# Allegro board BRD-05058-03_A1.brd
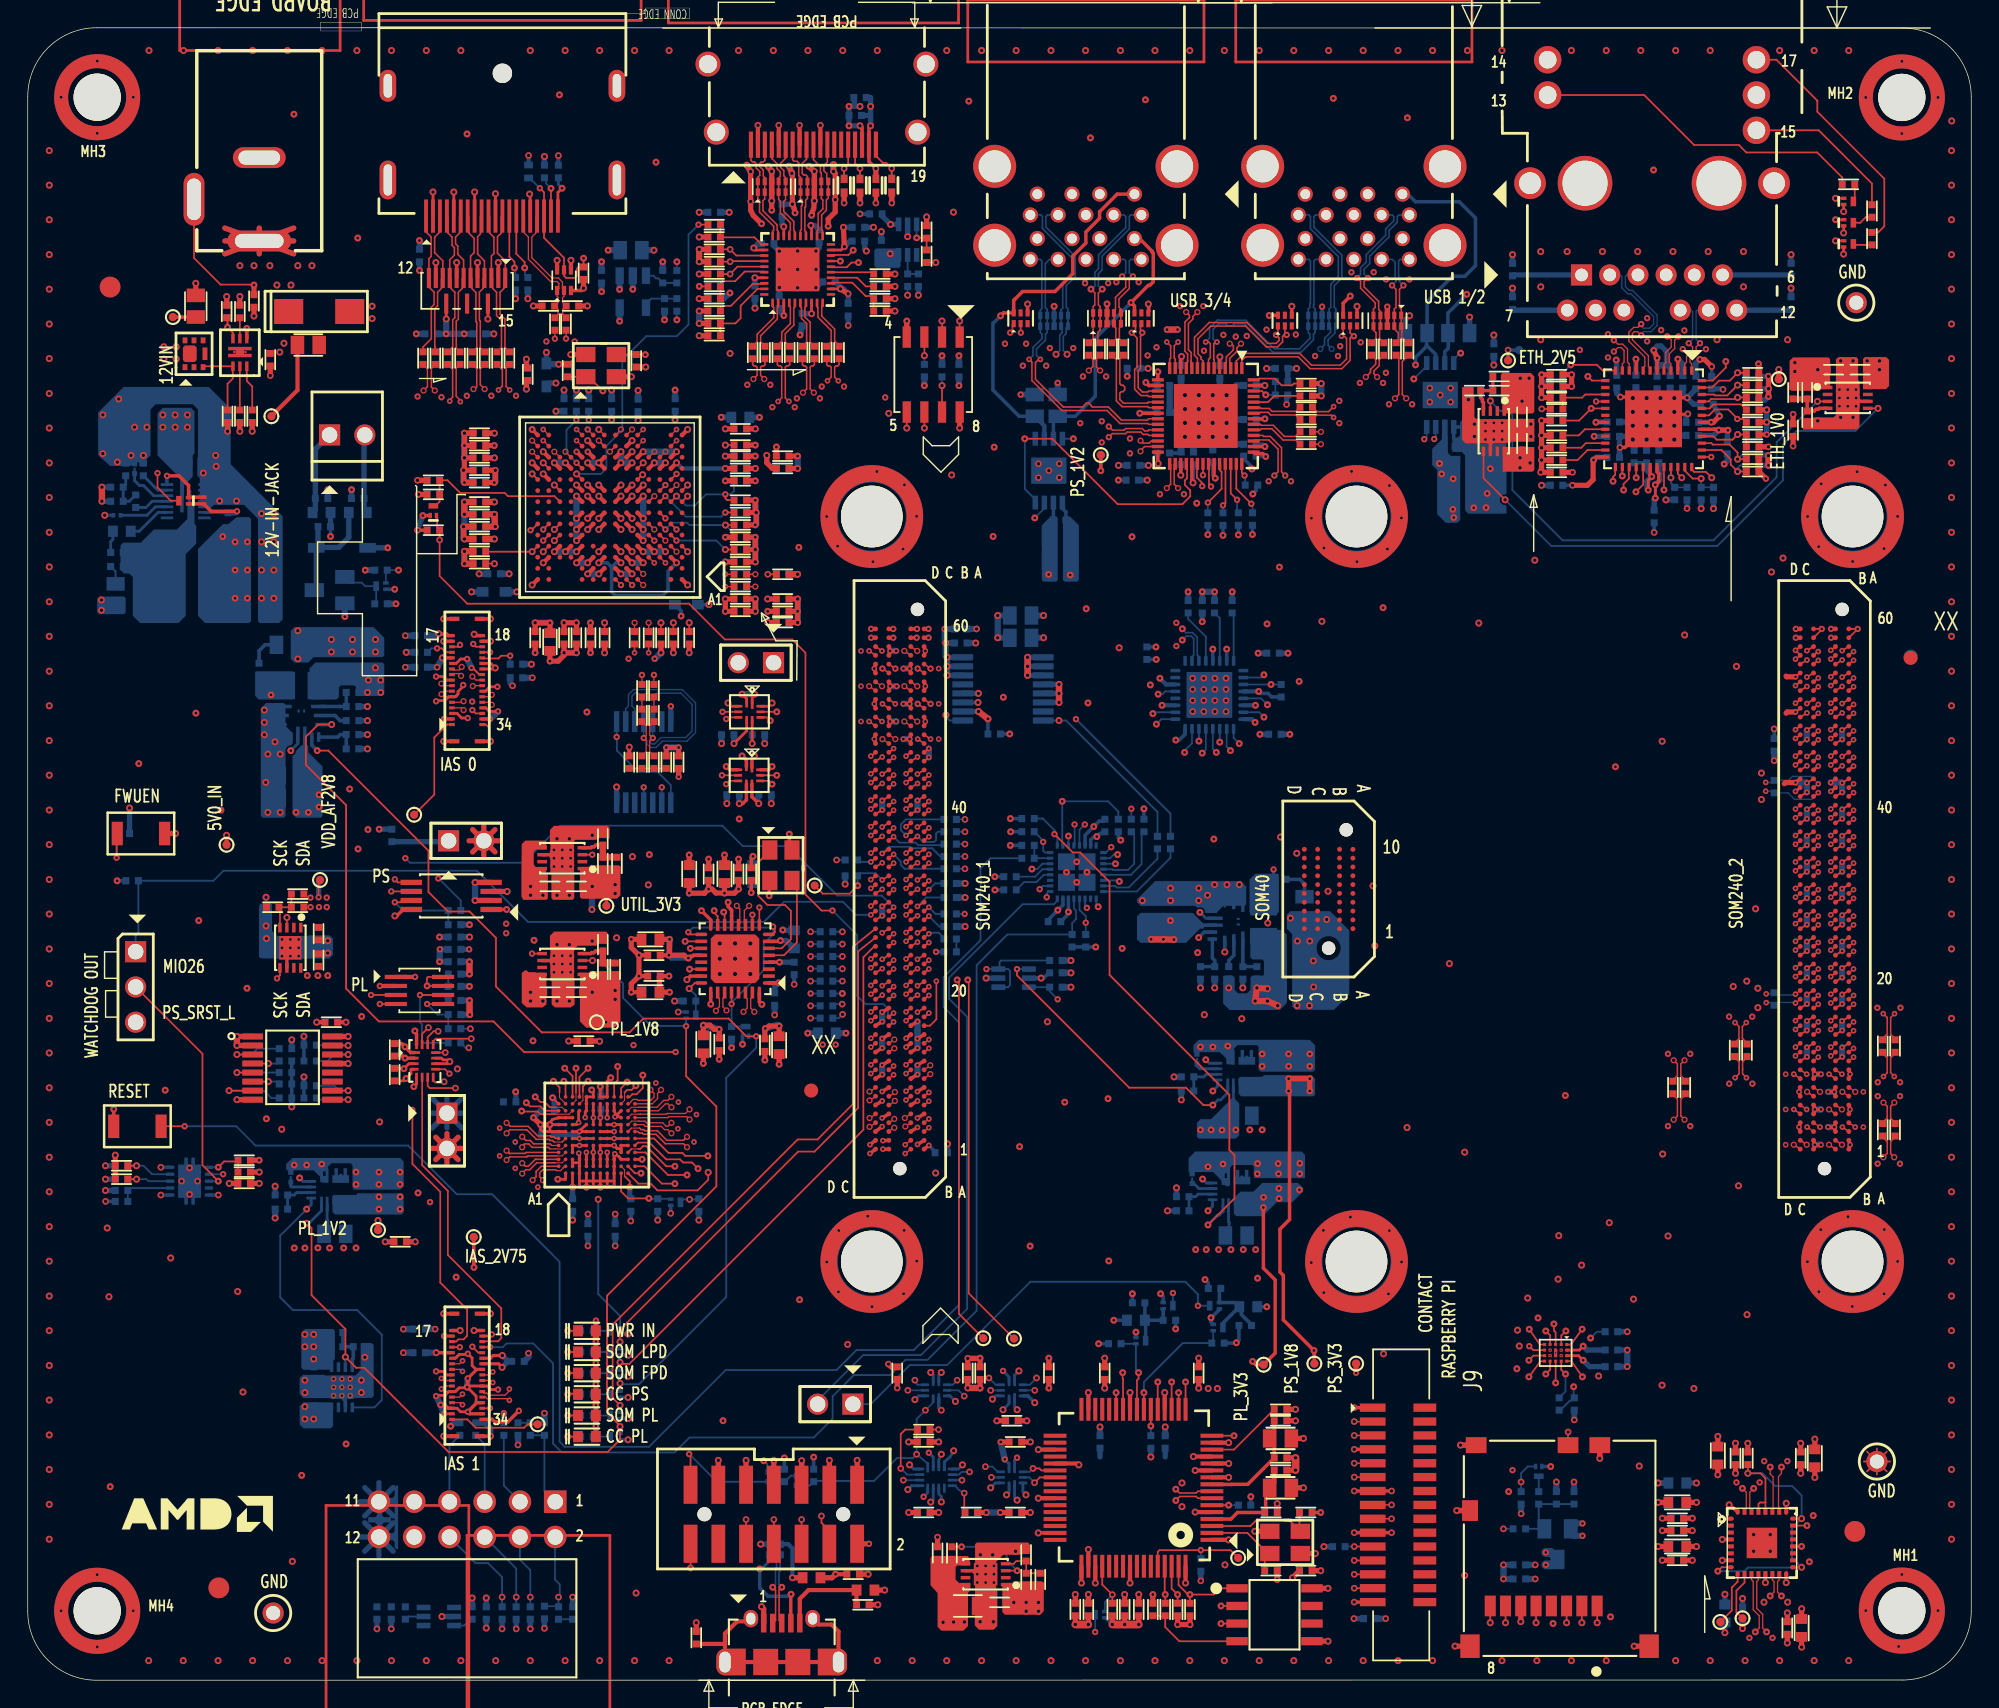
[diagram p0: board, top side]
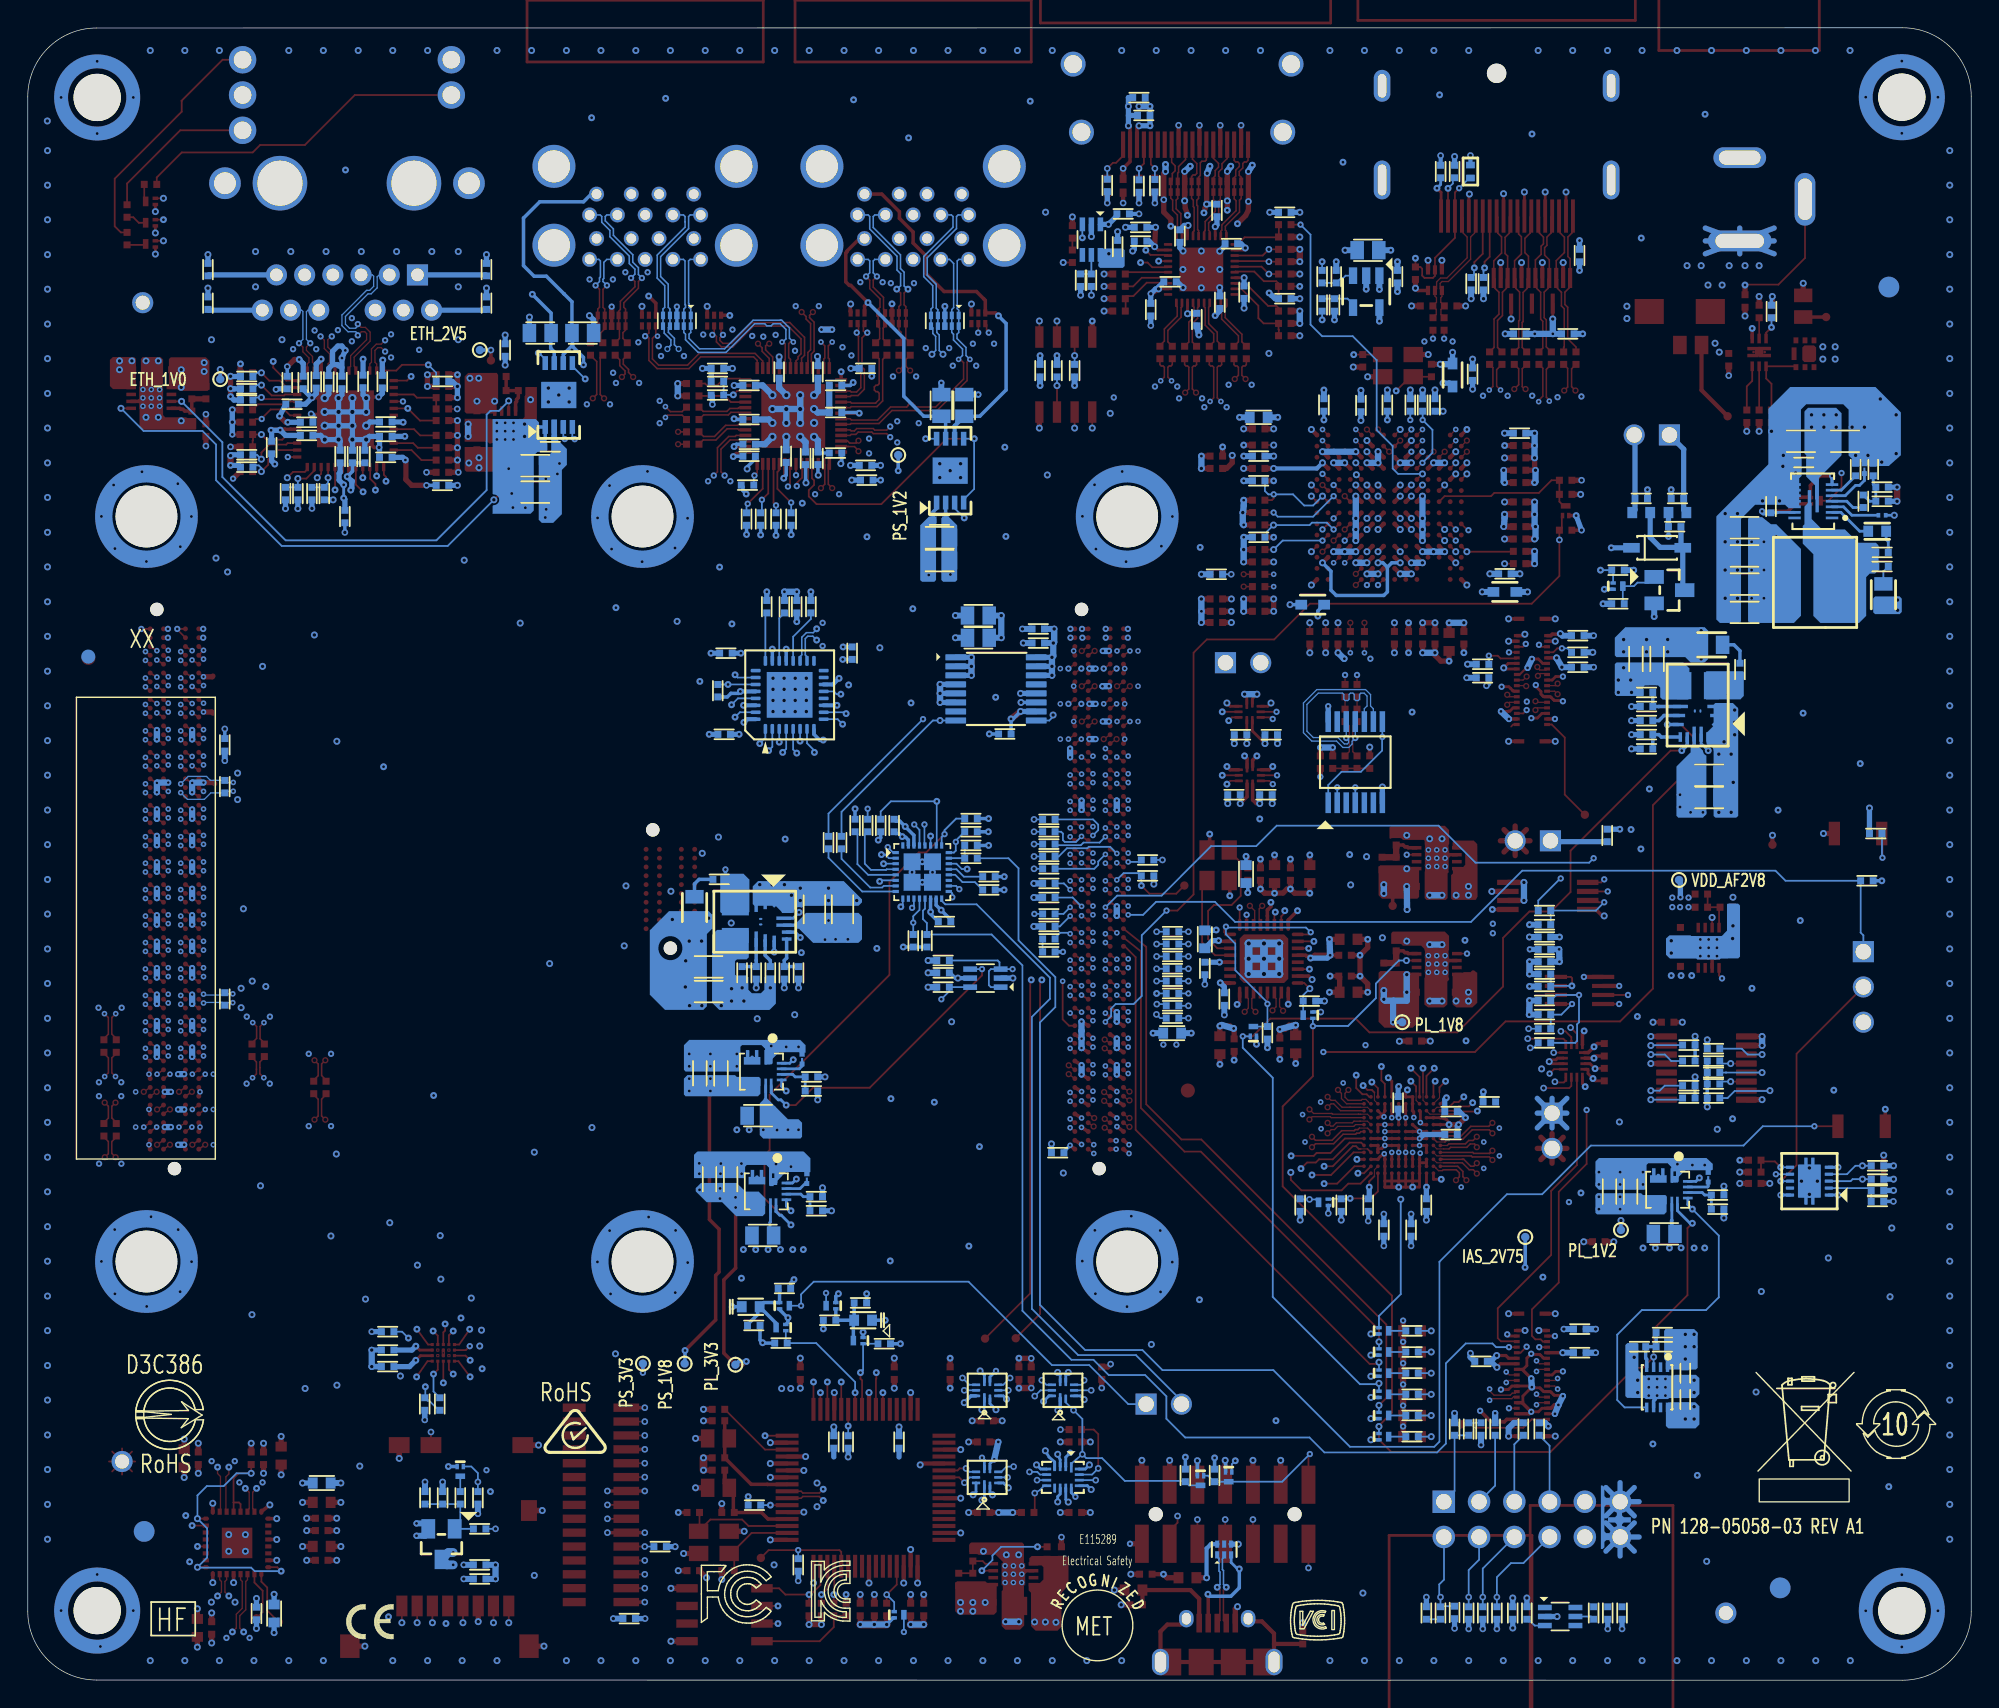
[diagram p1: board, bottom side, seen from below]

Outline 140 x 119 mm; copper layers: TOP, L02_GND, L03_SIG, L04_GND, L05_SIG, L06_GND, L07_PWR, L08_PWR, L09_GND, L10_SIG, L11_GND, L12_SIG, L13_GND, BOTTOM. Coordinates in mm from the lower left corner of the outline.
Outline path: 0,114.05 0,4.95 arc(1.45,1.45) 4.95,0 135.05,0.01 arc(138.55,1.47) 140,4.97 140,114.03 arc(138.55,117.53) 135.05,118.98 4.95,119 arc(1.45,117.55) 0,114.05

## Design rules (mm)
constraint set DEFAULT: min track width 0.127
net group 5V0_IN_FB: nets 5V0_IN_FB N1767106
net group AVDD33: nets AVDD33 N1371512
net group DP_GEM_TD_A: nets GEM_TD_A_N GEM_TD_A_P
net group DP_GEM_TD_B: nets GEM_TD_B_N GEM_TD_B_P
net group DP_GEM_TD_C: nets GEM_TD_C_N GEM_TD_C_P
net group DP_GEM_TD_D: nets GEM_TD_D_N GEM_TD_D_P
net group DP_GTH_REFCLK0_C2M: nets GTH_REFCLK0_C2M_N GTH_REFCLK0_C2M_P
net group DP_GTH_REFCLK1_C2M: nets GTH_REFCLK1_C2M_N GTH_REFCLK1_C2M_P
net group DP_GTR_REFCLK2_C2M: nets GTR_REFCLK2_C2M_N GTR_REFCLK2_C2M_P
net group DP_HDMI_TMDS_C: nets HDMI_TMDS_C_N HDMI_TMDS_C_P
net group DP_HDMI_TMDS_D0: nets HDMI_TMDS_D0_N HDMI_TMDS_D0_P
net group DP_HDMI_TMDS_D1: nets HDMI_TMDS_D1_N HDMI_TMDS_D1_P
net group DP_HDMI_TMDS_D2: nets HDMI_TMDS_D2_N HDMI_TMDS_D2_P
net group DP_HPA_CLK0: nets HPA_CLK0_N_NC HPA_CLK0_P_NC
net group DP_PWR_EN: nets DP_PWR_EN STDP4320_GPIO10_DP_PWR_EN
net group DP_PWR_FAULT_B: nets DP_PWR_FAULT_B STDP4320_GPIO11_DP_PWR_FAULT_B
net group DP_TX1_AUX_N: nets DP_TX1_AUX_C_N DP_TX1_AUX_N
net group DP_TX1_AUX_P: nets DP_TX1_AUX_C_P DP_TX1_AUX_P
net group DP_TX1_LN0_C_N: nets DP_TX1_LN0_C_N DP_TX1_LN0_N
net group DP_TX1_LN0_C_P: nets DP_TX1_LN0_C_P DP_TX1_LN0_P
net group DP_TX1_LN1_C_N: nets DP_TX1_LN1_C_N DP_TX1_LN1_N
net group DP_TX1_LN1_C_P: nets DP_TX1_LN1_C_P DP_TX1_LN1_P
net group DP_TX1_LN2_C_N: nets DP_TX1_LN2_C_N DP_TX1_LN2_N
net group DP_TX1_LN2_C_P: nets DP_TX1_LN2_C_P DP_TX1_LN2_P
net group DP_TX1_LN3_C_N: nets DP_TX1_LN3_C_N DP_TX1_LN3_N
net group DP_TX1_LN3_C_P: nets DP_TX1_LN3_C_P DP_TX1_LN3_P
net group DP_USB3320_D: nets USB3320_D_N USB3320_D_P
net group DP_USB_D1: nets USB_D1_N USB_D1_P
net group DP_USB_D2: nets USB_D2_N USB_D2_P
net group DP_USB_D3: nets USB_D3_N USB_D3_P
net group DP_USB_D4: nets USB_D4_N USB_D4_P
net group DP_USB_SSRX1: nets USB_SSRX1_N USB_SSRX1_P
net group DP_USB_SSRX2: nets USB_SSRX2_N USB_SSRX2_P
net group DP_USB_SSRX3: nets USB_SSRX3_N USB_SSRX3_P
net group DP_USB_SSRX4: nets USB_SSRX4_N USB_SSRX4_P
net group EEPROM_WC_B_R: nets EEPROM_WC_B EEPROM_WC_B_R
net group ETH_1V0_FB: nets ETH_1V0 ETH_1V0_FB
net group ETH_2V5_FB: nets ETH_2V5 ETH_2V5_FB
net group GEM_LED0_CA: nets GEM_LED0_CA N998670
net group GEM_LED1_CA: nets GEM_LED1_CA N998666
net group GEM_LED2_CA: nets GEM_LED2_CA N998662
net group GEM_XTAL_IN: nets ETH_REF_CLK GEM_XTAL_IN
net group GTH_DP0_C2M_N: nets GTH_DP0_C2M_N GTH_DP0_M2C_N
net group GTH_DP0_C2M_P: nets GTH_DP0_C2M_P GTH_DP0_M2C_P
net group GTH_DP1_C2M_N: nets GTH_DP1_C2M_N GTH_DP1_M2C_N
net group GTH_DP1_C2M_P: nets GTH_DP1_C2M_P GTH_DP1_M2C_P
net group GTH_DP2_C2M_N: nets GTH_DP2_C2M_N GTH_DP2_M2C_N
net group GTH_DP2_C2M_P: nets GTH_DP2_C2M_P GTH_DP2_M2C_P
net group GTH_DP3_C2M_N: nets GTH_DP3_C2M_N GTH_DP3_M2C_N
net group GTH_DP3_C2M_P: nets GTH_DP3_C2M_P GTH_DP3_M2C_P
net group HDMI_DDC_EN: nets HDMI_DDC_EN STDP4320_GPIO6_HDMI_DDC_EN
net group HDMI_OE_B: nets HDMI_OE_B STDP4320_GPIO5_HDMI_OE_B
net group HDMI_PWR_FLT_B_R: nets HDMI_PWR_FLT_B_R STDP4320_GPIO8_HDMI_PWR_FLT_B
net group HDMI_PWR_ON_R: nets HDMI_PWR_ON_R STDP4320_GPIO7_HDMI_PWR_ON
net group HDMI_TX0_LN0_C_N: nets HDMI_TX0_LN0_C_N HDMI_TX0_LN0_N
net group HDMI_TX0_LN0_C_P: nets HDMI_TX0_LN0_C_P HDMI_TX0_LN0_P
net group HDMI_TX0_LN1_C_N: nets HDMI_TX0_LN1_C_N HDMI_TX0_LN1_N
net group HDMI_TX0_LN1_C_P: nets HDMI_TX0_LN1_C_P HDMI_TX0_LN1_P
net group HDMI_TX0_LN2_C_N: nets HDMI_TX0_LN2_C_N HDMI_TX0_LN2_N
net group HDMI_TX0_LN2_C_P: nets HDMI_TX0_LN2_C_P HDMI_TX0_LN2_P
net group HDMI_TX0_LN3_C_N: nets HDMI_TX0_LN3_C_N HDMI_TX0_LN3_N
net group HDMI_TX0_LN3_C_P: nets HDMI_TX0_LN3_C_P HDMI_TX0_LN3_P
net group IAS_2V75_FB: nets IAS_2V75 IAS_2V75_FB
net group MODE1_C2M: nets MODE1_C2M N3484918
net group N1064088: nets N1063914 N1064088
net group N1690498: nets N1690498 N1690502
net group N1690608: nets N1690608 N1690612
net group N1690718: nets N1690718 N1690722
net group N1690828: nets N1690828 N1690832
net group N1690938: nets N1690938 N1690942
net group N2198627: nets N2198627 N2198631
net group PMOD_3V3: nets PMOD_3V3 PMOD_PWR_FLT_B
net group USB_JTAG_FLTR: nets FTDI_3V3_PG USB_JTAG_FLTR
net group USB_JTAG_UART_CONNECTOR_PAIR: nets USB_JTAG_DM_N USB_JTAG_DM_P
net group USB_JTAG_VBUS: nets N1063364 USB_JTAG_VBUS
net group USB_SSTX1_C_N: nets USB_SSTX1_C_N USB_SSTX1_N
net group USB_SSTX1_C_P: nets USB_SSTX1_C_P USB_SSTX1_P
net group USB_SSTX2_C_N: nets USB_SSTX2_C_N USB_SSTX2_N
net group USB_SSTX2_C_P: nets USB_SSTX2_C_P USB_SSTX2_P
net group USB_SSTX3_C_N: nets USB_SSTX3_C_N USB_SSTX3_N
net group USB_SSTX3_C_P: nets USB_SSTX3_C_P USB_SSTX3_P
net group USB_SSTX4_C_N: nets USB_SSTX4_C_N USB_SSTX4_N
net group USB_SSTX4_C_P: nets USB_SSTX4_C_P USB_SSTX4_P
net group 5V0_IN_SW: nets 5V0_IN_SW N1766802 N1766806 N1767370
net group AVDD12: nets AVDD12 N1371516 N1371642
net group DP_AUX_C_N: nets DP_AUX_C_N DP_AUX_C_R_N DP_AUX_N
net group DP_AUX_C_P: nets DP_AUX_C_P DP_AUX_C_R_P DP_AUX_P
net group DP_HPB00_HPB05_CC: nets HPB00_HPB05_CC_P
net group DP_HPB01_HPB06: nets HPB01_HPB06_P
net group DP_HPB02_HPB07: nets HPB02_HPB07_P
net group DP_HPB03_HPB08: nets HPB03_HPB08_P
net group DP_HPB04_HPB09: nets HPB04_HPB09_P
net group DP_HPB10_HPB15_CC: nets HPB10_HPB15_CC_P
net group DP_HPB11_HPB16: nets HPB11_HPB16_P
net group DP_HPB12_HPB17: nets HPB12_HPB17_P
net group DP_HPB13_HPB18: nets HPB13_HPB18_P
net group DP_HPB14_HPB19: nets HPB14_HPB19_P
net group DP_HPC00_HPC05_CC: nets HPC00_HPC05_CC_P
net group DP_HPC01_HPC06: nets HPC01_HPC06_P
net group DP_HPC02_HPC07: nets HPC02_HPC07_P
net group DP_HPC03_HPC08: nets HPC03_HPC08_P
net group DP_HPC04_HPC09: nets HPC04_HPC09_P
net group DP_HPC10_HPC15_CC: nets HPC10_HPC15_CC_P
net group DP_HPC11_HPC16: nets HPC11_HPC16_P
net group DP_HPC12_HPC17: nets HPC12_HPC17_P
net group DP_HPC13_HPC18: nets HPC13_HPC18_P
net group DP_HPC14_HPC19: nets HPC14_HPC19_P
net group E_NET_MIO64_69: nets MIO64 MIO65 MIO66 MIO67 MIO68 MIO69
net group ETHERNET_MIO70-75: nets MIO70 MIO72 MIO74 MIO75
net group FTDI_NETS: nets FTDI_3V3_FB FTDI_LS_OE_B FTDI_PS_POR_B FTDI_PS_SRST_B FTDI_TCK FTDI_TDI FTDI_TDO FTDI_TMS FTDI_UARTB_RXD FTDI_UARTB_TXD FTDI_UARTC_RXD FTDI_UARTC_TXD
net group GEM_NETS: nets GEM_GPIO0 GEM_GPIO1 GEM_LED0 GEM_LED1 GEM_LED2 GEM_NC1 GEM_NC2
net group GTR_DP0_M2C_N: nets GTR_DP0_M2C_N
net group GTR_DP0_M2C_P: nets GTR_DP0_M2C_P
net group GTR_DP1_M2C_N: nets GTR_DP1_M2C_N
net group GTR_DP1_M2C_P: nets GTR_DP1_M2C_P
net group GTR_DP2_C2M_C_N: nets GTR_DP2_C2M_N
net group GTR_DP2_C2M_C_P: nets GTR_DP2_C2M_P
net group GTR_DP2_M2C_C_N: nets GTR_DP2_M2C_N
net group GTR_DP2_M2C_C_P: nets GTR_DP2_M2C_P
net group HDA_NETS: nets HDA05_NC HDA06_NC HDA07_NC HDA08_CC_NC
net group HDB: nets HDB01_HDB00_CC HDB03_HDB02 HDB05_HDB04 HDB07_HDB06 HDB09_HDB08_CC HDB11_HDB10 HDB13_HDB12 HDB15_HDB14 HDB17_HDB16_CC HDB19_HDB18 HDB21_HDB20 HDB23_HDB22
net group HDC: nets HDC01_HDC00_CC HDC03_HDC02 HDC05_HDC04 HDC07_HDC06 HDC09_HDC08_CC HDC11_HDC10 HDC13_HDC12 HDC15_HDC14 HDC17_HDC16_CC HDC21_HDC20 HDC23_HDC22
net group HDMI_NETS: nets HDMI_DDC_SCL HDMI_DDC_SCL_LS HDMI_DDC_SDA HDMI_DDC_SDA_LS HDMI_HPD_IN HDMI_HPD_IN_LS
net group HPB_00-09: nets HPB00_HPB05_CC_N HPB01_HPB06_N HPB02_HPB07_N HPB03_HPB08_N HPB04_HPB09_N HPB10_HPB15_CC_N HPB11_HPB16_N HPB12_HPB17_N HPB13_HPB18_N HPB14_HPB19_N
net group HPC_00-09: nets HPC00_HPC05_CC_N HPC01_HPC06_N HPC02_HPC07_N HPC03_HPC08_N HPC04_HPC09_N HPC10_HPC15_CC_N HPC11_HPC16_N HPC12_HPC17_N HPC13_HPC18_N HPC14_HPC19_N
net group JTAG_NETS: nets JTAG_VCCO_ON
net group JTAG_TCK_C2M: nets JTAG_TCK_C2M
net group JUNK: nets HDMI_HPDINV HDMI_I2C_EN HDMI_OVS HDMI_SRC HDMI_VSADJ N911043 N911641 N911645 N911649 N911753 N931047 N931373 N994749 N994757 N994769 N994773 N1063872 N1063918 N1063922 N1064220 N1064316 N1064420 N1375606 N1375610 N1394837 N1434920 N1442575 N1569020 N1569323 N1569805 N1589278 N1589300 N1592727 N1672169 N1779575 N1784249 N1926673 N2162492 N2168209
net group MG_IAS_CONNECTOR: nets IAS0_CLK_D_N IAS0_CLK_D_P IAS0_D0_D_N IAS0_D0_D_P IAS0_D1_D_N IAS0_D1_D_P IAS0_D2_D_N IAS0_D2_D_P IAS0_D3_D_N IAS0_D3_D_P
net group MG_SDIO1_: nets SDIO1_CLK SDIO1_CMD SDIO1_DATA0 SDIO1_DATA1 SDIO1_DATA2
net group MIO: nets MIO26 MIO31 MIO35
net group MIO46: nets MIO46
net group MIO47: nets MIO47
net group MIO48: nets MIO48
net group MIO49: nets MIO49
net group MIO50: nets MIO50
net group MIO51: nets MIO51
net group MODE_PINS: nets MODE0_C2M MODE2_C2M MODE3_C2M
net group PMOD: nets PMOD_HDA11 PMOD_HDA12 PMOD_HDA13 PMOD_HDA14 PMOD_HDA15 PMOD_HDA16_CC PMOD_HDA17 PMOD_HDA18
net group POWER: nets 12V_FAN_GND 12V_FAN_PWR 12V_IN_JACK 12V_IN_SOURCE AGND1 AGND2 AGND3 AGND4 FB_UTIL_3V3 N1062590 N1063132 PL_1V2_FB PL_1V8_FB PL_3V3_FB PS_1V2_FB PS_1V2_SW PS_1V8_FB PS_3V3_FB STDP4320_AVDD12_OSC USB_JTAG_VCORE USB_JTAG_VPHY USB_JTAG_VPLL VCC_BATT
net group SDIO1_DATA3: nets SDIO_VCCB
net group WATCHDOG_NETS: nets WATCHDOG_CRST WATCHDOG_CWD WATCHDOG_SET0 WATCHDOG_SET1 WATCHDOG_WDO_B

## Placement (name value [footprint] x y rotation side)
C1  22UF  [CAPC200X125X145]  90.96 51.37 0 bottom
C2  22UF  [CAPC200X125X145]  90.96 49.59 0 bottom
C3  22UF  [CAPC200X125X145]  83.34 55.51 90 bottom
C4  47UF  [CAPC200X125X125]  81.3 55.51 90 bottom
C5  27PF  [CAPC100X50X55]  86.51 50.94 90 bottom
C6  22UF  [CAPC200X125X145]  87.4 40.65 0 bottom
C7  22UF  [CAPC160X80X100]  90.07 43.7 90 bottom
C8  22UF  [CAPC160X80X100]  91.59 43.7 90 bottom
C9  27PF  [CAPC100X50X55]  23.39 69.1 180 bottom
C10  22UF  [CAPC200X125X145]  18.88 65.17 180 bottom
C11  22UF  [CAPC200X125X145]  18.88 63.57 180 bottom
C12  10UF  [CAPC100X50X70]  107.64 90.97 270 top
C13  1000PF  [CAPC100X50X55]  105.99 92.87 180 top
C14  1000PF  [CAPC100X50X55]  128.19 92.72 270 top
C15  10UF  [CAPC100X50X70]  107.64 89.06 90 top
C16  10UF  [CAPC100X50X70]  130.09 94.38 0 top
C17  10UF  [CAPC100X50X70]  132 94.38 180 top
C18  22UF  [CAPC160X80X100]  89.37 36.08 90 bottom
C19  22UF  [CAPC160X80X100]  90.89 36.08 90 bottom
C20  22UF  [CAPC200X125X145]  87.05 32.03 0 bottom
C21  1000PF  [CAPC100X50X55]  41.43 51.2 90 top
C22  10UF  [CAPC100X50X70]  39.52 49.54 180 top
C23  10UF  [CAPC100X50X70]  37.62 49.54 0 top
C24  22UF  [CAPC160X80X100]  24.54 35.19 90 bottom
C25  22UF  [CAPC160X80X100]  26.06 35.19 90 bottom
C26  22UF  [CAPC200X125X145]  22.12 32.15 0 bottom
C27  1000PF  [CAPC100X50X55]  22.25 24.02 0 bottom
C28  10UF  [CAPC100X50X70]  20.6 22.11 270 bottom
C29  10UF  [CAPC100X50X70]  20.6 20.21 90 bottom
C30  22UF  [CAPC200X125X145]  12.27 89.22 0 bottom
C31  22UF  [CAPC200X125X145]  9.09 89.22 180 bottom
C32  22UF  [CAPC200X125X145]  16.33 83 0 bottom
C33  22UF  [CAPC200X125X145]  16.33 80.96 0 bottom
C34  22UF  [CAPC200X125X145]  16.33 76.9 0 bottom
C35  22UF  [CAPC200X125X145]  16.33 78.93 0 bottom
C36  0.1UF  [CAPC100X50X55]  12.06 87.7 0 bottom
C37  0.1UF  [CAPC100X50X55]  6.42 81.22 0 bottom
C38  1UF  [CAPC100X50X70]  14.43 84.52 90 bottom
C39  56PF  [CAPC100X50X55]  6.42 84.9 0 bottom
C40  0.022uF  [CAPC100X50X55]  8.33 87.19 90 bottom
C41  1000PF  [CAPC100X50X55]  41.43 58.82 90 top
C42  10UF  [CAPC100X50X70]  39.52 57.16 180 top
C43  10UF  [CAPC100X50X70]  37.62 57.16 0 top
C44  1000PF  [CAPC100X50X55]  71.92 7.25 90 top
C45  22UF  [CAPC160X80X100]  24.15 73.55 90 bottom
C48  22UF  [CAPC160X80X100]  22.63 73.55 90 bottom
C49  0.1UF  [CAPC100X50X55]  69.62 68.14 0 bottom
C50  0.1UF  [CAPC100X50X55]  15.59 35.78 180 top
C51  1UF  [CAPC100X50X70]  6.75 34.48 180 bottom
C52  0.22UF  [CAPC100X50X55]  6.75 37.05 180 top
C53  0.1UF  [CAPC100X50X55]  30.74 53.52 0 bottom
C54  1UF  [CAPC160X80X90]  50.19 58.05 90 top
C55  0.1UF  [CAPC100X50X55]  53.1 45.73 270 top
C56  1UF  [CAPC160X80X90]  54.13 45.73 270 top
C57  0.1UF  [CAPC100X50X55]  49.81 45.79 270 top
C58  1UF  [CAPC160X80X90]  48.66 45.79 270 top
C59  0.1UF  [CAPC100X50X55]  49.05 58.05 90 top
C60  1UF  [CAPC160X80X90]  47.65 58.05 90 top
C61  0.1UF  [CAPC100X50X55]  51.2 58.05 90 top
C62  1UF  [CAPC160X80X90]  44.85 53.35 180 top
C63  0.1UF  [CAPC100X50X55]  45.11 52.21 180 top
C64  0.1UF  [CAPC100X50X55]  30.74 51.74 180 bottom
C65  0.1UF  [CAPC100X50X55]  55.21 51.26 270 bottom
C66  1UF  [CAPC160X80X90]  57.56 46.6 0 bottom
C67  1UF  [CAPC160X80X90]  52.24 58.05 90 bottom
C68  0.1UF  [CAPC100X50X55]  53.81 49.05 270 bottom
C69  1UF  [CAPC160X80X90]  44.85 49.54 180 top
C70  0.1UF  [CAPC100X50X55]  45.11 50.71 180 top
C71  1UF  [CAPC160X80X90]  55.21 53.35 90 bottom
C72  0.1UF  [CAPC100X50X55]  52.12 58.05 90 top
C73  100PF  [CAPC100X50X55]  30.74 49.96 0 bottom
C74  0.1UF  [CAPC100X50X55]  21.87 47.39 0 top
C75  0.1UF  [CAPC100X50X55]  77.59 61.55 90 bottom
C78  10uF  [CAPC200X125X145]  67.71 5.35 0 top
C79  10UF  [CAPC100X50X70]  70.02 5.6 180 top
C80  0.1UF  [CAPC100X50X55]  64.54 17.16 180 top
C81  0.1UF  [CAPC100X50X55]  64.54 12.08 0 top
C82  4.7UF  [CAPC100X50X60]  89.56 12.08 0 top
C83  0.1UF  [CAPC100X50X55]  90.24 15.13 0 top
C84  0.1UF  [CAPC100X50X55]  90.24 16.02 0 top
C85  4.7UF  [CAPC100X50X60]  90.24 18.68 0 top
C87  0.1UF  [CAPC100X50X55]  59.46 7.63 0 top
C88  0.1UF  [CAPC100X50X55]  60.15 5.43 180 top
C89  1UF  [CAPC100X50X70]  65.54 9.16 90 top
C90  0.1UF  [CAPC100X50X55]  62.63 22.11 270 top
C91  0.1UF  [CAPC100X50X55]  67.71 22.11 270 top
C92  0.1UF  [CAPC100X50X55]  68.6 22.11 270 top
C93  0.1UF  [CAPC100X50X55]  73.56 22.11 90 top
C94  0.1UF  [CAPC100X50X55]  92.06 7.89 180 top
C95  4.7UF  [CAPC100X50X60]  75.46 5.09 270 top
C96  0.1UF  [CAPC100X50X55]  81.94 17.16 90 bottom
C97  0.1UF  [CAPC100X50X55]  80.03 5.09 270 top
C98  0.1UF  [CAPC100X50X55]  77.24 17.16 90 bottom
C99  0.1UF  [CAPC100X50X55]  76.4 5.09 270 top
C100  0.1UF  [CAPC100X50X55]  79.02 5.09 270 top
C101  0.1UF  [CAPC100X50X55]  70.89 18.68 180 top
C102  0.1UF  [CAPC100X50X55]  77.58 22.11 90 top
C103  27PF  [CAPC100X50X55]  89.56 7.89 0 top
C104  27PF  [CAPC100X50X55]  92.06 12.08 0 top
C105  0.1UF  [CAPC100X50X55]  84.35 22.11 90 top
C106  0.1UF  [CAPC100X50X55]  38.63 75.07 270 top
C107  0.1UF  [CAPC100X50X55]  51.33 90.11 0 top
C108  0.1UF  [CAPC100X50X55]  53.11 63.77 0 bottom
C109  0.1UF  [CAPC100X50X55]  50.81 63.77 180 bottom
C110  0.1UF  [CAPC100X50X55]  46.89 66.11 270 top
C111  0.1UF  [CAPC100X50X55]  45.11 69.48 90 top
C112  0.1UF  [CAPC100X50X55]  44.25 69.48 90 top
C113  0.1UF  [CAPC100X50X55]  38.63 91.84 90 bottom
C114  0.1UF  [CAPC100X50X55]  52.64 68.09 0 bottom
C115  0.1UF  [CAPC100X50X55]  50.43 68.09 180 bottom
C116  0.1UF  [CAPC100X50X55]  67.08 94.31 90 bottom
C117  0.1UF  [CAPC100X50X55]  28.47 95.21 90 top
C118  0.1UF  [CAPC100X50X55]  29.36 95.21 90 top
C119  0.1UF  [CAPC100X50X55]  30.25 95.21 90 top
C120  0.1UF  [CAPC100X50X55]  31.14 95.21 90 top
C121  0.1UF  [CAPC100X50X55]  32.03 95.21 90 top
C122  0.1UF  [CAPC100X50X55]  32.92 95.21 90 top
C123  0.1UF  [CAPC100X50X55]  33.81 95.21 90 top
C124  0.1UF  [CAPC100X50X55]  34.69 95.21 90 top
C125  1UF  [CAPC100X50X70]  40.35 32.42 270 bottom
C126  0.1UF  [CAPC100X50X55]  37.47 40.95 0 bottom
C127  0.1UF  [CAPC100X50X55]  40.05 46.03 0 top
C128  0.1UF  [CAPC100X50X55]  26.83 31.57 0 top
C129  1UF  [CAPC100X50X70]  125.81 67.36 270 bottom
C130  0.1UF  [CAPC100X50X55]  42.31 32.42 270 bottom
C131  1UF  [CAPC100X50X70]  37.47 39.3 0 bottom
C132  0.1UF  [CAPC100X50X55]  41.28 41.58 270 bottom
C133  1UF  [CAPC100X50X70]  35.31 22.96 0 bottom
C134  1UF  [CAPC100X50X70]  28.2 23.59 180 bottom
C135  10UF  [CAPC100X50X70]  28.2 25.29 180 bottom
C136  1UF  [CAPC100X50X70]  43.44 34.22 270 bottom
C137  0.1UF  [CAPC100X50X55]  39.25 34.22 270 bottom
C140  1UF  [CAPC100X50X70]  35.2 72.19 0 bottom
C141  1UF  [CAPC100X50X70]  28.34 72.95 180 bottom
C142  10UF  [CAPC100X50X70]  28.34 75.22 180 bottom
C143  1UF  [CAPC100X50X70]  96.68 4.44 0 bottom
C144  0.1UF  [CAPC100X50X55]  114.21 90.61 0 bottom
C145  0.1UF  [CAPC100X50X55]  110.13 93.17 180 top
C146  0.1UF  [CAPC100X50X55]  110.13 94.01 180 top
C147  0.01uF  [CAPC100X50X55]  116.61 88.12 90 bottom
C148  0.1UF  [CAPC100X50X55]  120.16 93.45 270 bottom
C149  0.1UF  [CAPC100X50X55]  105.61 95.79 90 bottom
C150  1UF  [CAPC100X50X70]  121.31 93.45 270 bottom
C151  1UF  [CAPC100X50X70]  119.22 93.5 270 bottom
C152  0.1UF  [CAPC100X50X55]  117.5 88.12 90 bottom
C153  0.1UF  [CAPC100X50X55]  114.21 89.57 0 bottom
C154  0.1UF  [CAPC100X50X55]  110.13 86.05 180 bottom
C155  0.1UF  [CAPC100X50X55]  120.96 91.89 180 bottom
C156  1UF  [CAPC100X50X70]  115.72 88.12 90 bottom
C157  1UF  [CAPC100X50X70]  122.43 88.77 270 bottom
C158  1UF  [CAPC100X50X70]  110.13 86.99 0 top
C159  10UF  [CAPC100X50X70]  119.91 89.64 180 bottom
C160  10UF  [CAPC100X50X70]  114.46 93.52 270 bottom
C161  0.01uF  [CAPC100X50X55]  115.85 93.53 270 bottom
C162  1UF  [CAPC100X50X70]  119.91 90.59 180 bottom
C163  1UF  [CAPC100X50X70]  117.16 83.8 270 bottom
C164  1UF  [CAPC100X50X70]  127.17 90.02 90 top
C165  1UF  [CAPC100X50X70]  118.32 93.5 270 bottom
C166  0.01uF  [CAPC100X50X55]  114.21 88.06 0 bottom
C167  10UF  [CAPC100X50X70]  117.37 93.45 270 bottom
C168  0.1UF  [CAPC100X50X55]  127.02 99.17 90 bottom
C169  0.1UF  [CAPC100X50X55]  127.02 101.58 90 bottom
C170  0.1UF  [CAPC100X50X55]  106.96 101.58 90 bottom
C171  0.1UF  [CAPC100X50X55]  106.96 99.17 90 bottom
C172  27PF  [CAPC100X50X55]  110.13 91.55 180 top
C173  27PF  [CAPC100X50X55]  110.13 92.36 180 top
C175  0.1UF  [CAPC100X50X55]  114.08 23.78 0 bottom
C176  0.1UF  [CAPC100X50X55]  114.08 22.58 0 bottom
C177  10UF  [CAPC100X50X70]  107.45 8.31 180 bottom
C178  2.2UF  [CAPC100X50X55]  111.41 19.89 270 bottom
C189  1UF  [CAPC160X80X90]  127.79 3.76 270 top
C190  0.1UF  [CAPC100X50X55]  123.02 15.98 90 top
C191  1UF  [CAPC160X80X90]  122.26 4.81 270 bottom
C192  0.1UF  [CAPC100X50X55]  127.72 15.98 90 top
C193  1UF  [CAPC160X80X90]  128.73 15.98 90 top
C194  0.1UF  [CAPC100X50X55]  126.75 3.76 270 top
C195  1UF  [CAPC160X80X90]  121.75 16.18 90 top
C196  0.1UF  [CAPC100X50X55]  123.53 4.81 270 bottom
C197  1UF  [CAPC160X80X90]  118.83 12.81 180 top
C198  0.1UF  [CAPC100X50X55]  118.83 8.64 180 top